# Allegro board S071AA-0413-20260427.brd (continued)
## Routing (per net, layer and track width the routed paths; a pad name or vN(x,y) marks a point on that pad's centre or on a via; arc(x,y) is an arc through that point) (continued)
GND12A_SCG: length 13.7
  L11_DPS w0.076: v2(149.12,210.23) 149.12,210.67 149.92,211.47 156.28,211.47
  L11_DPS w0.203: 156.28,211.47 156.45,211.47 156.66,211.67 v1(160.56,211.67)
  BOTTOM w0.152: v1(160.56,211.67) 160.56,211.68 SH6.1
  vias: v1(120.92,288.29) v1(120.92,283.21) v1(121.7,279.15) v1(129.28,279.15) v1(130.06,288.29) v1(130.06,283.21) v1(141.54,266.67) v1(141.54,263.88) v1(174.34,250.56) v1(174.34,247.77) v1(188.49,214.19) v1(188.49,211.4) v1(191.21,236.22) v1(191.21,233.42)
GND33A_ADC12: length 840.7
  L02_DGND w0.203: 120.67,152.81 K39.7 ; K39.7 119.55,153.92 ; K39.7 120.67,155.04 ; K39.7 121.78,153.92 ; K42.7 151.15,178.16 ; K42.7 150.03,177.04 ; K42.7 152.26,177.04 ; K42.7 151.15,175.92 ; 142.41,153.67 K40.7 ; K40.7 144.64,153.67 ; K40.7 143.53,154.79 ; K40.7 143.53,152.55 ; K42.6 151.15,165.46 ; K42.6 151.15,163.22 ; K42.6 150.03,164.34 ; K42.6 152.26,164.34 ; 143.53,139.85 K40.6 ; K40.6 142.41,140.97 ; K40.6 143.53,142.09 ; K40.6 144.64,140.97 ; 143.53,175.92 K38.7 ; K38.7 143.53,178.16 ; K38.7 144.64,177.04 ; K38.7 142.41,177.04 ; 111.93,153.92 K35.7 ; K35.7 114.16,153.92 ; K35.7 113.05,152.81 ; K35.7 113.05,155.04 ; K37.6 121.78,164.34 ; K37.6 120.67,163.22 ; K37.6 119.55,164.34 ; K37.6 120.67,165.46 ; 134.79,177.04 K34.7 ; K34.7 135.91,178.16 ; K34.7 135.91,175.92 ; K34.7 137.02,177.04 ; K34.6 137.02,164.34 ; K34.6 135.91,165.46 ; K34.6 134.79,164.34 ; K34.6 135.91,163.22 ; K35.6 114.16,141.22 ; K35.6 113.05,142.34 ; K35.6 111.93,141.22 ; K35.6 113.05,140.11 ; 128.29,163.22 K41.6 ; K41.6 128.29,165.46 ; K41.6 127.17,164.34 ; K41.6 129.4,164.34 ; K43.7 129.4,153.92 ; K43.7 127.17,153.92 ; K43.7 128.29,155.04 ; K43.7 128.29,152.81 ; K44.6 151.15,142.09 ; K44.6 152.26,140.97 ; K44.6 150.03,140.97 ; K44.6 151.15,139.85 ; K41.7 128.29,178.16 ; K41.7 129.4,177.04 ; K41.7 128.29,175.92 ; K41.7 127.17,177.04 ; K33.7 113.05,178.16 ; K33.7 114.16,177.04 ; K33.7 113.05,175.92 ; K33.7 111.93,177.04 ; 134.79,153.67 K36.7 ; K36.7 135.91,154.79 ; K36.7 137.02,153.67 ; K36.7 135.91,152.55 ; K43.6 129.4,141.22 ; K43.6 128.29,142.34 ; K43.6 128.29,140.11 ; K43.6 127.17,141.22 ; 119.55,177.04 K37.7 ; K37.7 121.78,177.04 ; K37.7 120.67,175.92 ; K37.7 120.67,178.16 ; 113.05,163.22 K33.6 ; K33.6 113.05,165.46 ; K33.6 111.93,164.34 ; K33.6 114.16,164.34 ; K39.6 121.78,141.22 ; K39.6 120.67,140.11 ; K39.6 120.67,142.34 ; K39.6 119.55,141.22 ; 142.41,164.34 K38.6 ; K38.6 144.64,164.34 ; K38.6 143.53,165.46 ; K38.6 143.53,163.22 ; 151.15,152.55 K44.7 ; K44.7 151.15,154.79 ; K44.7 152.26,153.67 ; K44.7 150.03,153.67 ; 134.79,140.97 K36.6 ; K36.6 135.91,142.09 ; K36.6 137.02,140.97 ; K36.6 135.91,139.85
  L04_DGND w0.203: K36.6 135.91,142.09 ; K36.6 137.02,140.97 ; K36.6 135.91,139.85 ; K36.6 134.79,140.97 ; K37.6 121.78,164.34 ; K37.6 119.55,164.34 ; K37.6 120.67,165.46 ; K37.6 120.67,163.22 ; 134.79,164.34 K34.6 ; K34.6 135.91,163.22 ; K34.6 135.91,165.46 ; K34.6 137.02,164.34 ; K35.6 114.16,141.22 ; K35.6 113.05,140.11 ; K35.6 113.05,142.34 ; K35.6 111.93,141.22 ; 151.15,175.92 K42.7 ; K42.7 150.03,177.04 ; K42.7 152.26,177.04 ; K42.7 151.15,178.16 ; 119.55,153.92 K39.7 ; K39.7 120.67,155.04 ; K39.7 121.78,153.92 ; K39.7 120.67,152.81 ; 143.53,139.85 K40.6 ; K40.6 144.64,140.97 ; K40.6 142.41,140.97 ; K40.6 143.53,142.09 ; 120.67,140.11 K39.6 ; K39.6 119.55,141.22 ; K39.6 120.67,142.34 ; K39.6 121.78,141.22 ; K38.6 144.64,164.34 ; K38.6 143.53,163.22 ; K38.6 143.53,165.46 ; K38.6 142.41,164.34 ; 150.03,140.97 K44.6 ; K44.6 151.15,142.09 ; K44.6 151.15,139.85 ; K44.6 152.26,140.97 ; K42.6 151.15,165.46 ; K42.6 151.15,163.22 ; K42.6 150.03,164.34 ; K42.6 152.26,164.34 ; 134.79,153.67 K36.7 ; K36.7 135.91,154.79 ; K36.7 135.91,152.55 ; K36.7 137.02,153.67 ; 142.41,153.67 K40.7 ; K40.7 144.64,153.67 ; K40.7 143.53,154.79 ; K40.7 143.53,152.55 ; K43.7 128.29,155.04 ; K43.7 128.29,152.81 ; K43.7 129.4,153.92 ; K43.7 127.17,153.92 ; 142.41,177.04 K38.7 ; K38.7 144.64,177.04 ; K38.7 143.53,178.16 ; K38.7 143.53,175.92 ; 111.93,153.92 K35.7 ; K35.7 113.05,152.81 ; K35.7 114.16,153.92 ; K35.7 113.05,155.04 ; 135.91,175.92 K34.7 ; K34.7 134.79,177.04 ; K34.7 135.91,178.16 ; K34.7 137.02,177.04 ; 128.29,140.11 K43.6 ; K43.6 129.4,141.22 ; K43.6 128.29,142.34 ; K43.6 127.17,141.22 ; K33.7 113.05,178.16 ; K33.7 111.93,177.04 ; K33.7 113.05,175.92 ; K33.7 114.16,177.04 ; 113.05,163.22 K33.6 ; K33.6 114.16,164.34 ; K33.6 113.05,165.46 ; K33.6 111.93,164.34 ; K41.6 129.4,164.34 ; K41.6 128.29,165.46 ; K41.6 127.17,164.34 ; K41.6 128.29,163.22 ; K41.7 128.29,178.16 ; K41.7 127.17,177.04 ; K41.7 129.4,177.04 ; K41.7 128.29,175.92 ; K37.7 121.78,177.04 ; K37.7 120.67,178.16 ; K37.7 120.67,175.92 ; K37.7 119.55,177.04 ; 151.15,152.55 K44.7 ; K44.7 150.03,153.67 ; K44.7 151.15,154.79 ; K44.7 152.26,153.67
  L06_DGND w0.203: K41.6 129.4,164.34 ; K41.6 128.29,165.46 ; K41.6 128.29,163.22 ; K41.6 127.17,164.34 ; 143.53,152.55 K40.7 ; K40.7 144.64,153.67 ; K40.7 143.53,154.79 ; K40.7 142.41,153.67 ; 111.93,164.34 K33.6 ; K33.6 113.05,165.46 ; K33.6 114.16,164.34 ; K33.6 113.05,163.22 ; 119.55,177.04 K37.7 ; K37.7 120.67,175.92 ; K37.7 120.67,178.16 ; K37.7 121.78,177.04 ; 119.55,141.22 K39.6 ; K39.6 120.67,140.11 ; K39.6 120.67,142.34 ; K39.6 121.78,141.22 ; K35.6 113.05,142.34 ; K35.6 113.05,140.11 ; K35.6 114.16,141.22 ; K35.6 111.93,141.22 ; K43.7 129.4,153.92 ; K43.7 127.17,153.92 ; K43.7 128.29,152.81 ; K43.7 128.29,155.04 ; 113.05,175.92 K33.7 ; K33.7 111.93,177.04 ; K33.7 114.16,177.04 ; K33.7 113.05,178.16 ; 143.53,139.85 K40.6 ; K40.6 142.41,140.97 ; K40.6 143.53,142.09 ; K40.6 144.64,140.97 ; 127.17,141.22 K43.6 ; K43.6 129.4,141.22 ; K43.6 128.29,142.34 ; K43.6 128.29,140.11 ; 143.53,175.92 K38.7 ; K38.7 144.64,177.04 ; K38.7 142.41,177.04 ; K38.7 143.53,178.16 ; 151.15,152.55 K44.7 ; K44.7 152.26,153.67 ; K44.7 150.03,153.67 ; K44.7 151.15,154.79 ; K37.6 120.67,165.46 ; K37.6 119.55,164.34 ; K37.6 120.67,163.22 ; K37.6 121.78,164.34 ; K38.6 143.53,165.46 ; K38.6 144.64,164.34 ; K38.6 143.53,163.22 ; K38.6 142.41,164.34 ; K39.7 120.67,155.04 ; K39.7 120.67,152.81 ; K39.7 119.55,153.92 ; K39.7 121.78,153.92 ; 134.79,140.97 K36.6 ; K36.6 135.91,142.09 ; K36.6 137.02,140.97 ; K36.6 135.91,139.85 ; 128.29,175.92 K41.7 ; K41.7 127.17,177.04 ; K41.7 129.4,177.04 ; K41.7 128.29,178.16 ; K42.6 152.26,164.34 ; K42.6 151.15,163.22 ; K42.6 151.15,165.46 ; K42.6 150.03,164.34 ; K34.7 137.02,177.04 ; K34.7 134.79,177.04 ; K34.7 135.91,175.92 ; K34.7 135.91,178.16 ; 134.79,164.34 K34.6 ; K34.6 137.02,164.34 ; K34.6 135.91,163.22 ; K34.6 135.91,165.46 ; K35.7 113.05,155.04 ; K35.7 113.05,152.81 ; K35.7 114.16,153.92 ; K35.7 111.93,153.92 ; K42.7 151.15,178.16 ; K42.7 151.15,175.92 ; K42.7 150.03,177.04 ; K42.7 152.26,177.04 ; 135.91,152.55 K36.7 ; K36.7 134.79,153.67 ; K36.7 137.02,153.67 ; K36.7 135.91,154.79 ; 150.03,140.97 K44.6 ; K44.6 151.15,142.09 ; K44.6 152.26,140.97 ; K44.6 151.15,139.85
  L08_DGND w0.203: 142.41,140.97 K40.6 ; K40.6 144.64,140.97 ; K40.6 143.53,139.85 ; K40.6 143.53,142.09 ; 128.29,140.11 K43.6 ; K43.6 127.17,141.22 ; K43.6 129.4,141.22 ; K43.6 128.29,142.34 ; K44.6 151.15,142.09 ; K44.6 152.26,140.97 ; K44.6 151.15,139.85 ; K44.6 150.03,140.97 ; 127.17,153.92 K43.7 ; K43.7 129.4,153.92 ; K43.7 128.29,152.81 ; K43.7 128.29,155.04 ; 120.67,140.11 K39.6 ; K39.6 121.78,141.22 ; K39.6 119.55,141.22 ; K39.6 120.67,142.34 ; 135.91,175.92 K34.7 ; K34.7 135.91,178.16 ; K34.7 134.79,177.04 ; K34.7 137.02,177.04 ; 151.15,152.55 K44.7 ; K44.7 152.26,153.67 ; K44.7 150.03,153.67 ; K44.7 151.15,154.79 ; 134.79,153.67 K36.7 ; K36.7 137.02,153.67 ; K36.7 135.91,154.79 ; K36.7 135.91,152.55 ; K35.6 113.05,142.34 ; K35.6 111.93,141.22 ; K35.6 114.16,141.22 ; K35.6 113.05,140.11 ; K42.6 152.26,164.34 ; K42.6 151.15,163.22 ; K42.6 150.03,164.34 ; K42.6 151.15,165.46 ; 111.93,164.34 K33.6 ; K33.6 114.16,164.34 ; K33.6 113.05,165.46 ; K33.6 113.05,163.22 ; 142.41,177.04 K38.7 ; K38.7 144.64,177.04 ; K38.7 143.53,178.16 ; K38.7 143.53,175.92 ; K39.7 121.78,153.92 ; K39.7 120.67,155.04 ; K39.7 119.55,153.92 ; K39.7 120.67,152.81 ; 119.55,164.34 K37.6 ; K37.6 120.67,163.22 ; K37.6 120.67,165.46 ; K37.6 121.78,164.34 ; 134.79,164.34 K34.6 ; K34.6 135.91,165.46 ; K34.6 137.02,164.34 ; K34.6 135.91,163.22 ; K35.7 113.05,155.04 ; K35.7 114.16,153.92 ; K35.7 111.93,153.92 ; K35.7 113.05,152.81 ; K33.7 113.05,178.16 ; K33.7 114.16,177.04 ; K33.7 113.05,175.92 ; K33.7 111.93,177.04 ; 143.53,152.55 K40.7 ; K40.7 142.41,153.67 ; K40.7 144.64,153.67 ; K40.7 143.53,154.79 ; K41.7 128.29,178.16 ; K41.7 129.4,177.04 ; K41.7 128.29,175.92 ; K41.7 127.17,177.04 ; 150.03,177.04 K42.7 ; K42.7 151.15,175.92 ; K42.7 152.26,177.04 ; K42.7 151.15,178.16 ; 128.29,163.22 K41.6 ; K41.6 128.29,165.46 ; K41.6 127.17,164.34 ; K41.6 129.4,164.34 ; K36.6 137.02,140.97 ; K36.6 135.91,139.85 ; K36.6 134.79,140.97 ; K36.6 135.91,142.09 ; K37.7 121.78,177.04 ; K37.7 120.67,175.92 ; K37.7 120.67,178.16 ; K37.7 119.55,177.04 ; 143.53,163.22 K38.6 ; K38.6 142.41,164.34 ; K38.6 143.53,165.46 ; K38.6 144.64,164.34
  L10_DGND w0.203: K42.7 152.26,177.04 ; K42.7 151.15,175.92 ; K42.7 150.03,177.04 ; K42.7 151.15,178.16 ; 143.53,175.92 K38.7 ; K38.7 142.41,177.04 ; K38.7 143.53,178.16 ; K38.7 144.64,177.04
  L11_DPS w0.076: v2(145.92,207.03) 145.92,206.68
  L11_DPS w0.203: v1(148.13,200.22) 148.13,204.1 145.92,206.3 145.92,206.68
  L12_DGND w0.203: 142.41,177.04 K38.7 ; K38.7 143.53,178.16 ; K38.7 144.64,177.04 ; K38.7 143.53,175.92 ; K42.7 151.15,178.16 ; K42.7 150.03,177.04 ; K42.7 151.15,175.92 ; K42.7 152.26,177.04
  L17_DGND w0.203: 142.41,177.04 K38.7 ; K38.7 143.53,175.92 ; K38.7 144.64,177.04 ; K38.7 143.53,178.16 ; 150.03,177.04 K42.7 ; K42.7 151.15,175.92 ; K42.7 151.15,178.16 ; K42.7 152.26,177.04 ; 128.29,163.22 K41.6 ; K41.6 128.29,165.46 ; K41.6 127.17,164.34 ; K41.6 129.4,164.34 ; 142.41,153.67 K40.7 ; K40.7 143.53,154.79 ; K40.7 143.53,152.55 ; K40.7 144.64,153.67 ; 150.03,140.97 K44.6 ; K44.6 152.26,140.97 ; K44.6 151.15,139.85 ; K44.6 151.15,142.09 ; K35.6 114.16,141.22 ; K35.6 111.93,141.22 ; K35.6 113.05,140.11 ; K35.6 113.05,142.34 ; K36.7 137.02,153.67 ; K36.7 134.79,153.67 ; K36.7 135.91,154.79 ; K36.7 135.91,152.55 ; K38.6 144.64,164.34 ; K38.6 142.41,164.34 ; K38.6 143.53,165.46 ; K38.6 143.53,163.22 ; 113.05,175.92 K33.7 ; K33.7 114.16,177.04 ; K33.7 111.93,177.04 ; K33.7 113.05,178.16 ; 113.05,152.81 K35.7 ; K35.7 113.05,155.04 ; K35.7 114.16,153.92 ; K35.7 111.93,153.92 ; 128.29,140.11 K43.6 ; K43.6 127.17,141.22 ; K43.6 128.29,142.34 ; K43.6 129.4,141.22 ; K36.6 135.91,142.09 ; K36.6 134.79,140.97 ; K36.6 135.91,139.85 ; K36.6 137.02,140.97 ; K33.6 114.16,164.34 ; K33.6 113.05,165.46 ; K33.6 113.05,163.22 ; K33.6 111.93,164.34 ; 128.29,175.92 K41.7 ; K41.7 127.17,177.04 ; K41.7 129.4,177.04 ; K41.7 128.29,178.16 ; K39.7 121.78,153.92 ; K39.7 120.67,155.04 ; K39.7 119.55,153.92 ; K39.7 120.67,152.81 ; K42.6 151.15,165.46 ; K42.6 152.26,164.34 ; K42.6 150.03,164.34 ; K42.6 151.15,163.22 ; K40.6 143.53,142.09 ; K40.6 143.53,139.85 ; K40.6 142.41,140.97 ; K40.6 144.64,140.97 ; K44.7 152.26,153.67 ; K44.7 151.15,152.55 ; K44.7 150.03,153.67 ; K44.7 151.15,154.79 ; K34.6 135.91,165.46 ; K34.6 135.91,163.22 ; K34.6 137.02,164.34 ; K34.6 134.79,164.34 ; K37.7 121.78,177.04 ; K37.7 119.55,177.04 ; K37.7 120.67,175.92 ; K37.7 120.67,178.16 ; 120.67,140.11 K39.6 ; K39.6 121.78,141.22 ; K39.6 120.67,142.34 ; K39.6 119.55,141.22 ; K43.7 128.29,155.04 ; K43.7 129.4,153.92 ; K43.7 128.29,152.81 ; K43.7 127.17,153.92 ; 119.55,164.34 K37.6 ; K37.6 120.67,165.46 ; K37.6 120.67,163.22 ; K37.6 121.78,164.34 ; K34.7 137.02,177.04 ; K34.7 134.79,177.04 ; K34.7 135.91,175.92 ; K34.7 135.91,178.16
  L19_DGND w0.203: 120.67,152.81 K39.7 ; K39.7 120.67,155.04 ; K39.7 119.55,153.92 ; K39.7 121.78,153.92 ; 119.55,164.34 K37.6 ; K37.6 120.67,163.22 ; K37.6 121.78,164.34 ; K37.6 120.67,165.46 ; K42.7 151.15,178.16 ; K42.7 151.15,175.92 ; K42.7 152.26,177.04 ; K42.7 150.03,177.04 ; 142.41,140.97 K40.6 ; K40.6 143.53,142.09 ; K40.6 143.53,139.85 ; K40.6 144.64,140.97 ; K36.6 137.02,140.97 ; K36.6 135.91,139.85 ; K36.6 134.79,140.97 ; K36.6 135.91,142.09 ; 134.79,164.34 K34.6 ; K34.6 135.91,163.22 ; K34.6 135.91,165.46 ; K34.6 137.02,164.34 ; K35.6 113.05,142.34 ; K35.6 114.16,141.22 ; K35.6 113.05,140.11 ; K35.6 111.93,141.22 ; K40.7 143.53,154.79 ; K40.7 142.41,153.67 ; K40.7 143.53,152.55 ; K40.7 144.64,153.67 ; K35.7 114.16,153.92 ; K35.7 113.05,152.81 ; K35.7 113.05,155.04 ; K35.7 111.93,153.92 ; K42.6 151.15,165.46 ; K42.6 150.03,164.34 ; K42.6 151.15,163.22 ; K42.6 152.26,164.34 ; K43.6 129.4,141.22 ; K43.6 127.17,141.22 ; K43.6 128.29,140.11 ; K43.6 128.29,142.34 ; K43.7 129.4,153.92 ; K43.7 128.29,152.81 ; K43.7 128.29,155.04 ; K43.7 127.17,153.92 ; 135.91,152.55 K36.7 ; K36.7 137.02,153.67 ; K36.7 135.91,154.79 ; K36.7 134.79,153.67 ; K37.7 121.78,177.04 ; K37.7 120.67,175.92 ; K37.7 119.55,177.04 ; K37.7 120.67,178.16 ; 128.29,163.22 K41.6 ; K41.6 128.29,165.46 ; K41.6 127.17,164.34 ; K41.6 129.4,164.34 ; K41.7 129.4,177.04 ; K41.7 127.17,177.04 ; K41.7 128.29,178.16 ; K41.7 128.29,175.92 ; 142.41,177.04 K38.7 ; K38.7 143.53,175.92 ; K38.7 143.53,178.16 ; K38.7 144.64,177.04 ; K44.7 151.15,154.79 ; K44.7 151.15,152.55 ; K44.7 150.03,153.67 ; K44.7 152.26,153.67 ; K39.6 120.67,142.34 ; K39.6 119.55,141.22 ; K39.6 121.78,141.22 ; K39.6 120.67,140.11 ; 113.05,163.22 K33.6 ; K33.6 113.05,165.46 ; K33.6 111.93,164.34 ; K33.6 114.16,164.34 ; 135.91,175.92 K34.7 ; K34.7 135.91,178.16 ; K34.7 134.79,177.04 ; K34.7 137.02,177.04 ; K38.6 144.64,164.34 ; K38.6 143.53,165.46 ; K38.6 143.53,163.22 ; K38.6 142.41,164.34 ; K44.6 152.26,140.97 ; K44.6 151.15,142.09 ; K44.6 151.15,139.85 ; K44.6 150.03,140.97 ; K33.7 113.05,178.16 ; K33.7 111.93,177.04 ; K33.7 114.16,177.04 ; K33.7 113.05,175.92
  L23_DGND w0.203: K35.6 113.05,142.34 ; K35.6 111.93,141.22 ; K35.6 114.16,141.22 ; K35.6 113.05,140.11 ; 128.29,163.22 K41.6 ; K41.6 129.4,164.34 ; K41.6 128.29,165.46 ; K41.6 127.17,164.34 ; 151.15,163.22 K42.6 ; K42.6 152.26,164.34 ; K42.6 151.15,165.46 ; K42.6 150.03,164.34 ; K33.6 113.05,165.46 ; K33.6 113.05,163.22 ; K33.6 114.16,164.34 ; K33.6 111.93,164.34 ; K43.6 128.29,142.34 ; K43.6 127.17,141.22 ; K43.6 128.29,140.11 ; K43.6 129.4,141.22 ; K40.7 143.53,154.79 ; K40.7 144.64,153.67 ; K40.7 143.53,152.55 ; K40.7 142.41,153.67 ; K39.6 121.78,141.22 ; K39.6 119.55,141.22 ; K39.6 120.67,142.34 ; K39.6 120.67,140.11 ; K36.7 137.02,153.67 ; K36.7 135.91,154.79 ; K36.7 135.91,152.55 ; K36.7 134.79,153.67 ; K34.6 137.02,164.34 ; K34.6 135.91,163.22 ; K34.6 135.91,165.46 ; K34.6 134.79,164.34 ; K44.6 152.26,140.97 ; K44.6 151.15,139.85 ; K44.6 151.15,142.09 ; K44.6 150.03,140.97 ; K43.7 129.4,153.92 ; K43.7 128.29,155.04 ; K43.7 128.29,152.81 ; K43.7 127.17,153.92 ; K36.6 137.02,140.97 ; K36.6 135.91,142.09 ; K36.6 134.79,140.97 ; K36.6 135.91,139.85 ; K37.6 121.78,164.34 ; K37.6 120.67,163.22 ; K37.6 120.67,165.46 ; K37.6 119.55,164.34 ; 113.05,175.92 K33.7 ; K33.7 114.16,177.04 ; K33.7 113.05,178.16 ; K33.7 111.93,177.04 ; K44.7 152.26,153.67 ; K44.7 151.15,152.55 ; K44.7 150.03,153.67 ; K44.7 151.15,154.79 ; 119.55,153.92 K39.7 ; K39.7 121.78,153.92 ; K39.7 120.67,155.04 ; K39.7 120.67,152.81 ; 142.41,140.97 K40.6 ; K40.6 143.53,139.85 ; K40.6 143.53,142.09 ; K40.6 144.64,140.97 ; K38.6 143.53,165.46 ; K38.6 143.53,163.22 ; K38.6 142.41,164.34 ; K38.6 144.64,164.34 ; K35.7 114.16,153.92 ; K35.7 113.05,152.81 ; K35.7 113.05,155.04 ; K35.7 111.93,153.92
  L25_DGND w0.203: 143.53,139.85 K40.6 ; K40.6 143.53,142.09 ; K40.6 144.64,140.97 ; K40.6 142.41,140.97 ; K35.7 114.16,153.92 ; K35.7 113.05,155.04 ; K35.7 113.05,152.81 ; K35.7 111.93,153.92 ; K35.6 114.16,141.22 ; K35.6 113.05,140.11 ; K35.6 113.05,142.34 ; K35.6 111.93,141.22 ; 128.29,140.11 K43.6 ; K43.6 128.29,142.34 ; K43.6 127.17,141.22 ; K43.6 129.4,141.22 ; K39.6 120.67,142.34 ; K39.6 121.78,141.22 ; K39.6 119.55,141.22 ; K39.6 120.67,140.11 ; K42.6 152.26,164.34 ; K42.6 150.03,164.34 ; K42.6 151.15,165.46 ; K42.6 151.15,163.22 ; 135.91,163.22 K34.6 ; K34.6 135.91,165.46 ; K34.6 134.79,164.34 ; K34.6 137.02,164.34 ; K43.7 128.29,155.04 ; K43.7 128.29,152.81 ; K43.7 127.17,153.92 ; K43.7 129.4,153.92 ; K37.6 120.67,165.46 ; K37.6 121.78,164.34 ; K37.6 120.67,163.22 ; K37.6 119.55,164.34 ; K40.7 144.64,153.67 ; K40.7 142.41,153.67 ; K40.7 143.53,154.79 ; K40.7 143.53,152.55 ; 111.93,164.34 K33.6 ; K33.6 113.05,165.46 ; K33.6 113.05,163.22 ; K33.6 114.16,164.34 ; K44.7 151.15,154.79 ; K44.7 150.03,153.67 ; K44.7 151.15,152.55 ; K44.7 152.26,153.67 ; 151.15,139.85 K44.6 ; K44.6 150.03,140.97 ; K44.6 151.15,142.09 ; K44.6 152.26,140.97 ; K36.6 135.91,142.09 ; K36.6 135.91,139.85 ; K36.6 137.02,140.97 ; K36.6 134.79,140.97 ; K39.7 120.67,155.04 ; K39.7 120.67,152.81 ; K39.7 119.55,153.92 ; K39.7 121.78,153.92 ; 113.05,175.92 K33.7 ; K33.7 114.16,177.04 ; K33.7 111.93,177.04 ; K33.7 113.05,178.16 ; K38.6 143.53,165.46 ; K38.6 142.41,164.34 ; K38.6 144.64,164.34 ; K38.6 143.53,163.22 ; 134.79,153.67 K36.7 ; K36.7 135.91,152.55 ; K36.7 137.02,153.67 ; K36.7 135.91,154.79 ; K41.6 128.29,165.46 ; K41.6 129.4,164.34 ; K41.6 128.29,163.22 ; K41.6 127.17,164.34
  BOTTOM w0.152: SH8.1 v1(148.13,200.22)
  vias: v1(131.72,148.32) v1(136.8,188.96) v1(143.78,288.29) v1(143.78,283.21) v1(144.56,279.15) v1(146.96,148.32) v1(152.14,279.15) v1(152.92,288.29) v1(152.92,283.21) v1(157.12,148.32) v1(161.24,175.22) v1(161.24,172.43) v1(162.2,158.48) v1(162.2,153.4) v1(162.2,148.32) v1(162.2,143.24) v1(162.2,138.16) v1(167.28,153.4) v1(167.28,148.32) v1(167.28,143.24) v1(167.28,138.16) v1(172.36,148.32) v1(172.36,143.24) v1(172.36,138.16) v1(177.44,143.24) v1(177.44,138.16) v1(182.52,138.16) v1(187.65,179.08) v1(187.65,176.29) v1(232.14,210.8) v1(232.14,208.01) v1(232.44,270.37) v1(232.44,267.57) v2(142.72,207.83) v2(142.72,207.03) v2(143.52,210.23) v2(145.92,210.23) v2(145.92,209.43) v2(145.92,208.63) v2(145.92,207.83) v2(146.72,212.63) v2(146.78,211.84)
GND33A_ADC32: length 2740.1
  L02_DGND w0.203: 114.82,188.37 K1.7 ; K1.7 114.82,190.6 ; K1.7 115.94,189.48 ; K1.7 113.71,189.48 ; 101.01,219.96 K20.6 ; K20.6 103.24,219.96 ; K20.6 102.12,221.08 ; K20.6 102.12,218.85 ; K5.6 32.38,204.72 ; K5.6 30.14,204.72 ; K5.6 31.26,205.84 ; K5.6 31.26,203.61 ; 30.14,235.2 K25.6 ; K25.6 31.26,236.32 ; K25.6 32.38,235.2 ; K25.6 31.26,234.09 ; 90.08,204.72 K12.7 ; K12.7 92.32,204.72 ; K12.7 91.2,203.61 ; K12.7 91.2,205.84 ; 43.96,195.99 K6.7 ; K6.7 42.84,197.1 ; K6.7 43.96,198.22 ; K6.7 45.08,197.1 ; K19.6 78.5,221.08 ; K19.6 77.38,219.96 ; K19.6 79.62,219.96 ; K19.6 78.5,218.85 ; 42.84,242.82 K29.7 ; K29.7 43.96,241.71 ; K29.7 45.08,242.82 ; K27.7 91.2,236.32 ; K27.7 91.2,234.09 ; K27.7 92.32,235.2 ; K27.7 90.08,235.2 ; K7.7 68.7,212.34 ; K7.7 66.46,212.34 ; K7.7 67.58,213.46 ; K7.7 67.58,211.23 ; 42.84,189.48 K16.7 ; K16.7 43.96,188.37 ; K16.7 45.08,189.48 ; K16.7 43.96,190.6 ; K9.6 54.88,198.22 ; K9.6 53.76,197.1 ; K9.6 54.88,195.99 ; K9.6 56,197.1 ; 31.26,226.47 K21.6 ; K21.6 30.14,227.58 ; K21.6 31.26,228.7 ; K21.6 32.38,227.58 ; K25.7 43.96,236.32 ; K25.7 42.84,235.2 ; K25.7 45.08,235.2 ; K25.7 43.96,234.09 ; 67.58,226.47 K22.7 ; K22.7 68.7,227.58 ; K22.7 67.58,228.7 ; K22.7 66.46,227.58 ; 54.88,211.23 K7.6 ; K7.6 53.76,212.34 ; K7.6 54.88,213.46 ; K7.6 56,212.34 ; 54.88,203.61 K8.6 ; K8.6 53.76,204.72 ; K8.6 54.88,205.84 ; K8.6 56,204.72 ; 43.96,218.85 K17.7 ; K17.7 45.08,219.96 ; K17.7 42.84,219.96 ; K17.7 43.96,221.08 ; 77.38,212.34 K14.6 ; K14.6 79.62,212.34 ; K14.6 78.5,213.46 ; K14.6 78.5,211.23 ; 77.38,189.48 K2.6 ; K2.6 79.62,189.48 ; K2.6 78.5,190.6 ; K2.6 78.5,188.37 ; 77.38,235.2 K27.6 ; K27.6 78.5,234.09 ; K27.6 79.62,235.2 ; K27.6 78.5,236.32 ; K20.7 114.82,221.08 ; K20.7 113.71,219.96 ; K20.7 115.94,219.96 ; K20.7 114.82,218.85 ; K28.6 103.24,235.2 ; K28.6 102.12,236.32 ; K28.6 102.12,234.09 ; K28.6 101.01,235.2 ; K22.6 54.88,228.7 ; K22.6 54.88,226.47 ; K22.6 56,227.58 ; K22.6 53.76,227.58 ; 43.96,211.23 K4.7 ; K4.7 43.96,213.46 ; K4.7 42.84,212.34 ; K4.7 45.08,212.34 ; K14.7 91.2,213.46 ; K14.7 90.08,212.34 ; K14.7 91.2,211.23 ; K14.7 92.32,212.34 ; K23.6 78.5,228.7 ; K23.6 79.62,227.58 ; K23.6 78.5,226.47 ; K23.6 77.38,227.58 ; 77.38,197.1 K10.6 ; K10.6 78.5,198.22 ; K10.6 79.62,197.1 ; K10.6 78.5,195.99 ; 42.84,227.58 K21.7 ; K21.7 45.08,227.58 ; K21.7 43.96,226.47 ; K21.7 43.96,228.7 ; 101.01,242.82 K32.6 ; K32.6 102.12,241.71 ; K32.6 103.24,242.82 ; 31.26,195.99 K6.6 ; K6.6 30.14,197.1 ; K6.6 32.38,197.1 ; K6.6 31.26,198.22 ; K3.6 56,189.48 ; K3.6 53.76,189.48 ; K3.6 54.88,188.37 ; K3.6 54.88,190.6 ; 90.08,242.82 K31.7 ; K31.7 91.2,241.71 ; K31.7 92.32,242.82 ; K4.6 31.26,213.46 ; K4.6 31.26,211.23 ; K4.6 30.14,212.34 ; K4.6 32.38,212.34 ; 77.38,242.82 K31.6 ; K31.6 78.5,241.71 ; K31.6 79.62,242.82 ; K2.7 92.32,189.48 ; K2.7 91.2,190.6 ; K2.7 91.2,188.37 ; K2.7 90.08,189.48 ; 102.12,195.99 K11.6 ; K11.6 102.12,198.22 ; K11.6 101.01,197.1 ; K11.6 103.24,197.1 ; K16.6 31.26,190.6 ; K16.6 32.38,189.48 ; K16.6 31.26,188.37 ; K16.6 30.14,189.48 ; K18.7 68.7,219.96 ; K18.7 67.58,218.85 ; K18.7 66.46,219.96 ; K18.7 67.58,221.08 ; K30.7 68.7,242.82 ; K30.7 66.46,242.82 ; K30.7 67.58,241.71 ; K8.7 68.7,204.72 ; K8.7 67.58,203.61 ; K8.7 67.58,205.84 ; K8.7 66.46,204.72 ; 91.2,226.47 K23.7 ; K23.7 92.32,227.58 ; K23.7 90.08,227.58 ; K23.7 91.2,228.7 ; K24.7 115.94,227.58 ; K24.7 113.71,227.58 ; K24.7 114.82,226.47 ; K24.7 114.82,228.7 ; 77.38,204.72 K12.6 ; K12.6 78.5,203.61 ; K12.6 78.5,205.84 ; K12.6 79.62,204.72 ; 54.88,234.09 K26.6 ; K26.6 53.76,235.2 ; K26.6 56,235.2 ; K26.6 54.88,236.32 ; K13.6 103.24,204.72 ; K13.6 102.12,205.84 ; K13.6 101.01,204.72 ; K13.6 102.12,203.61 ; 66.46,197.1 K9.7 ; K9.7 67.58,198.22 ; K9.7 68.7,197.1 ; K9.7 67.58,195.99 ; K13.7 114.82,205.84 ; K13.7 114.82,203.61 ; K13.7 113.71,204.72 ; K13.7 115.94,204.72 ; 113.71,197.1 K11.7 ; K11.7 114.82,198.22 ; K11.7 114.82,195.99 ; K11.7 115.94,197.1 ; 53.76,219.96 K18.6 ; K18.6 54.88,218.85 ; K18.6 54.88,221.08 ; K18.6 56,219.96 ; K1.6 102.12,190.6 ; K1.6 102.12,188.37 ; K1.6 103.24,189.48 ; K1.6 101.01,189.48 ; K15.7 115.94,212.34 ; K15.7 114.82,211.23 ; K15.7 114.82,213.46 ; K15.7 113.71,212.34 ; 54.88,241.71 K30.6 ; K30.6 56,242.82 ; K30.6 53.76,242.82 ; 113.71,242.82 K32.7 ; K32.7 114.82,241.71 ; K32.7 115.94,242.82 ; K15.6 102.12,213.46 ; K15.6 102.12,211.23 ; K15.6 101.01,212.34 ; K15.6 103.24,212.34 ; 101.01,227.58 K24.6 ; K24.6 103.24,227.58 ; K24.6 102.12,226.47 ; K24.6 102.12,228.7 ; K17.6 32.38,219.96 ; K17.6 31.26,218.85 ; K17.6 31.26,221.08 ; K17.6 30.14,219.96 ; 42.84,204.72 K5.7 ; K5.7 45.08,204.72 ; K5.7 43.96,205.84 ; K5.7 43.96,203.61 ; K26.7 68.7,235.2 ; K26.7 67.58,236.32 ; K26.7 66.46,235.2 ; K26.7 67.58,234.09 ; 90.08,219.96 K19.7 ; K19.7 91.2,218.85 ; K19.7 92.32,219.96 ; K19.7 91.2,221.08 ; 90.08,197.1 K10.7 ; K10.7 91.2,195.99 ; K10.7 91.2,198.22 ; K10.7 92.32,197.1 ; K28.7 115.94,235.2 ; K28.7 114.82,234.09 ; K28.7 114.82,236.32 ; K28.7 113.71,235.2 ; 67.58,188.37 K3.7 ; K3.7 68.7,189.48 ; K3.7 67.58,190.6 ; K3.7 66.46,189.48 ; 30.14,242.82 K29.6 ; K29.6 31.26,241.71 ; K29.6 32.38,242.82
  L04_DGND w0.203: K16.6 32.38,189.48 ; K16.6 31.26,188.37 ; K16.6 30.14,189.48 ; K16.6 31.26,190.6 ; K18.6 56,219.96 ; K18.6 54.88,221.08 ; K18.6 53.76,219.96 ; K18.6 54.88,218.85 ; 113.71,212.34 K15.7 ; K15.7 114.82,211.23 ; K15.7 115.94,212.34 ; K15.7 114.82,213.46 ; 53.76,235.2 K26.6 ; K26.6 54.88,236.32 ; K26.6 56,235.2 ; K26.6 54.88,234.09 ; 114.82,234.09 K28.7 ; K28.7 113.71,235.2 ; K28.7 115.94,235.2 ; K28.7 114.82,236.32 ; 67.58,234.09 K26.7 ; K26.7 67.58,236.32 ; K26.7 68.7,235.2 ; K26.7 66.46,235.2 ; K7.6 56,212.34 ; K7.6 54.88,211.23 ; K7.6 53.76,212.34 ; K7.6 54.88,213.46 ; 90.08,204.72 K12.7 ; K12.7 92.32,204.72 ; K12.7 91.2,205.84 ; K12.7 91.2,203.61 ; K24.7 114.82,228.7 ; K24.7 114.82,226.47 ; K24.7 113.71,227.58 ; K24.7 115.94,227.58 ; 31.26,241.71 K29.6 ; K29.6 30.14,242.82 ; K29.6 32.38,242.82 ; 67.58,218.85 K18.7 ; K18.7 66.46,219.96 ; K18.7 68.7,219.96 ; K18.7 67.58,221.08 ; 77.38,235.2 K27.6 ; K27.6 78.5,236.32 ; K27.6 79.62,235.2 ; K27.6 78.5,234.09 ; K20.7 114.82,221.08 ; K20.7 113.71,219.96 ; K20.7 115.94,219.96 ; K20.7 114.82,218.85 ; K25.6 32.38,235.2 ; K25.6 31.26,234.09 ; K25.6 30.14,235.2 ; K25.6 31.26,236.32 ; 67.58,188.37 K3.7 ; K3.7 68.7,189.48 ; K3.7 66.46,189.48 ; K3.7 67.58,190.6 ; 31.26,195.99 K6.6 ; K6.6 32.38,197.1 ; K6.6 31.26,198.22 ; K6.6 30.14,197.1 ; K15.6 102.12,213.46 ; K15.6 101.01,212.34 ; K15.6 103.24,212.34 ; K15.6 102.12,211.23 ; K10.6 78.5,198.22 ; K10.6 78.5,195.99 ; K10.6 79.62,197.1 ; K10.6 77.38,197.1 ; K1.6 103.24,189.48 ; K1.6 102.12,190.6 ; K1.6 101.01,189.48 ; K1.6 102.12,188.37 ; 101.01,204.72 K13.6 ; K13.6 102.12,205.84 ; K13.6 102.12,203.61 ; K13.6 103.24,204.72 ; 90.08,212.34 K14.7 ; K14.7 91.2,213.46 ; K14.7 92.32,212.34 ; K14.7 91.2,211.23 ; K28.6 103.24,235.2 ; K28.6 102.12,234.09 ; K28.6 102.12,236.32 ; K28.6 101.01,235.2 ; K30.7 68.7,242.82 ; K30.7 66.46,242.82 ; K30.7 67.58,241.71 ; 42.84,189.48 K16.7 ; K16.7 43.96,188.37 ; K16.7 45.08,189.48 ; K16.7 43.96,190.6 ; 30.14,212.34 K4.6 ; K4.6 31.26,211.23 ; K4.6 31.26,213.46 ; K4.6 32.38,212.34 ; 78.5,241.71 K31.6 ; K31.6 77.38,242.82 ; K31.6 79.62,242.82 ; K30.6 56,242.82 ; K30.6 53.76,242.82 ; K30.6 54.88,241.71 ; K17.6 31.26,221.08 ; K17.6 31.26,218.85 ; K17.6 30.14,219.96 ; K17.6 32.38,219.96 ; K2.6 78.5,190.6 ; K2.6 79.62,189.48 ; K2.6 78.5,188.37 ; K2.6 77.38,189.48 ; 90.08,219.96 K19.7 ; K19.7 92.32,219.96 ; K19.7 91.2,221.08 ; K19.7 91.2,218.85 ; K5.7 43.96,205.84 ; K5.7 43.96,203.61 ; K5.7 45.08,204.72 ; K5.7 42.84,204.72 ; 102.12,226.47 K24.6 ; K24.6 101.01,227.58 ; K24.6 103.24,227.58 ; K24.6 102.12,228.7 ; K9.7 68.7,197.1 ; K9.7 66.46,197.1 ; K9.7 67.58,195.99 ; K9.7 67.58,198.22 ; 91.2,226.47 K23.7 ; K23.7 90.08,227.58 ; K23.7 91.2,228.7 ; K23.7 92.32,227.58 ; K17.7 43.96,221.08 ; K17.7 45.08,219.96 ; K17.7 43.96,218.85 ; K17.7 42.84,219.96 ; 102.12,195.99 K11.6 ; K11.6 103.24,197.1 ; K11.6 102.12,198.22 ; K11.6 101.01,197.1 ; K21.7 43.96,228.7 ; K21.7 43.96,226.47 ; K21.7 42.84,227.58 ; K21.7 45.08,227.58 ; K2.7 91.2,190.6 ; K2.7 92.32,189.48 ; K2.7 90.08,189.48 ; K2.7 91.2,188.37 ; K8.6 54.88,205.84 ; K8.6 56,204.72 ; K8.6 54.88,203.61 ; K8.6 53.76,204.72 ; K1.7 115.94,189.48 ; K1.7 114.82,188.37 ; K1.7 114.82,190.6 ; K1.7 113.71,189.48 ; 42.84,242.82 K29.7 ; K29.7 45.08,242.82 ; K29.7 43.96,241.71 ; K9.6 54.88,198.22 ; K9.6 54.88,195.99 ; K9.6 56,197.1 ; K9.6 53.76,197.1 ; 43.96,211.23 K4.7 ; K4.7 45.08,212.34 ; K4.7 42.84,212.34 ; K4.7 43.96,213.46 ; K20.6 103.24,219.96 ; K20.6 101.01,219.96 ; K20.6 102.12,221.08 ; K20.6 102.12,218.85 ; 90.08,235.2 K27.7 ; K27.7 91.2,234.09 ; K27.7 91.2,236.32 ; K27.7 92.32,235.2 ; 54.88,226.47 K22.6 ; K22.6 53.76,227.58 ; K22.6 54.88,228.7 ; K22.6 56,227.58 ; 113.71,197.1 K11.7 ; K11.7 115.94,197.1 ; K11.7 114.82,198.22 ; K11.7 114.82,195.99 ; K14.6 78.5,213.46 ; K14.6 79.62,212.34 ; K14.6 78.5,211.23 ; K14.6 77.38,212.34 ; K7.7 67.58,213.46 ; K7.7 66.46,212.34 ; K7.7 68.7,212.34 ; K7.7 67.58,211.23 ; 53.76,189.48 K3.6 ; K3.6 54.88,190.6 ; K3.6 54.88,188.37 ; K3.6 56,189.48 ; 43.96,234.09 K25.7 ; K25.7 43.96,236.32 ; K25.7 45.08,235.2 ; K25.7 42.84,235.2 ; K6.7 45.08,197.1 ; K6.7 42.84,197.1 ; K6.7 43.96,198.22 ; K6.7 43.96,195.99 ; K23.6 79.62,227.58 ; K23.6 77.38,227.58 ; K23.6 78.5,228.7 ; K23.6 78.5,226.47 ; K13.7 114.82,205.84 ; K13.7 114.82,203.61 ; K13.7 113.71,204.72 ; K13.7 115.94,204.72 ; K8.7 68.7,204.72 ; K8.7 67.58,203.61 ; K8.7 66.46,204.72 ; K8.7 67.58,205.84 ; K21.6 32.38,227.58 ; K21.6 31.26,226.47 ; K21.6 30.14,227.58 ; K21.6 31.26,228.7 ; 101.01,242.82 K32.6 ; K32.6 102.12,241.71 ; K32.6 103.24,242.82 ; 31.26,203.61 K5.6 ; K5.6 32.38,204.72 ; K5.6 31.26,205.84 ; K5.6 30.14,204.72 ; 77.38,204.72 K12.6 ; K12.6 78.5,205.84 ; K12.6 79.62,204.72 ; K12.6 78.5,203.61 ; 91.2,241.71 K31.7 ; K31.7 90.08,242.82 ; K31.7 92.32,242.82 ; 77.38,219.96 K19.6 ; K19.6 78.5,221.08 ; K19.6 79.62,219.96 ; K19.6 78.5,218.85 ; 67.58,226.47 K22.7 ; K22.7 67.58,228.7 ; K22.7 68.7,227.58 ; K22.7 66.46,227.58 ; 90.08,197.1 K10.7 ; K10.7 91.2,195.99 ; K10.7 91.2,198.22 ; K10.7 92.32,197.1 ; 114.82,241.71 K32.7 ; K32.7 113.71,242.82 ; K32.7 115.94,242.82
  L06_DGND w0.203: K17.6 31.26,221.08 ; K17.6 30.14,219.96 ; K17.6 31.26,218.85 ; K17.6 32.38,219.96 ; 66.46,235.2 K26.7 ; K26.7 67.58,236.32 ; K26.7 67.58,234.09 ; K26.7 68.7,235.2 ; 31.26,195.99 K6.6 ; K6.6 32.38,197.1 ; K6.6 30.14,197.1 ; K6.6 31.26,198.22 ; K12.7 91.2,205.84 ; K12.7 91.2,203.61 ; K12.7 90.08,204.72 ; K12.7 92.32,204.72 ; K28.7 115.94,235.2 ; K28.7 114.82,234.09 ; K28.7 113.71,235.2 ; K28.7 114.82,236.32 ; 113.71,219.96 K20.7 ; K20.7 114.82,221.08 ; K20.7 115.94,219.96 ; K20.7 114.82,218.85 ; 113.71,189.48 K1.7 ; K1.7 114.82,190.6 ; K1.7 114.82,188.37 ; K1.7 115.94,189.48 ; 113.71,242.82 K32.7 ; K32.7 114.82,241.71 ; K32.7 115.94,242.82 ; 90.08,219.96 K19.7 ; K19.7 91.2,221.08 ; K19.7 91.2,218.85 ; K19.7 92.32,219.96 ; K22.7 68.7,227.58 ; K22.7 66.46,227.58 ; K22.7 67.58,228.7 ; K22.7 67.58,226.47 ; K28.6 102.12,236.32 ; K28.6 101.01,235.2 ; K28.6 103.24,235.2 ; K28.6 102.12,234.09 ; K13.6 103.24,204.72 ; K13.6 102.12,203.61 ; K13.6 101.01,204.72 ; K13.6 102.12,205.84 ; 30.14,242.82 K29.6 ; K29.6 32.38,242.82 ; K29.6 31.26,241.71 ; 43.96,195.99 K6.7 ; K6.7 43.96,198.22 ; K6.7 42.84,197.1 ; K6.7 45.08,197.1 ; 77.38,204.72 K12.6 ; K12.6 78.5,203.61 ; K12.6 78.5,205.84 ; K12.6 79.62,204.72 ; 53.76,227.58 K22.6 ; K22.6 54.88,228.7 ; K22.6 54.88,226.47 ; K22.6 56,227.58 ; 67.58,241.71 K30.7 ; K30.7 66.46,242.82 ; K30.7 68.7,242.82 ; K11.7 115.94,197.1 ; K11.7 114.82,195.99 ; K11.7 113.71,197.1 ; K11.7 114.82,198.22 ; 43.96,234.09 K25.7 ; K25.7 45.08,235.2 ; K25.7 43.96,236.32 ; K25.7 42.84,235.2 ; K11.6 102.12,198.22 ; K11.6 103.24,197.1 ; K11.6 102.12,195.99 ; K11.6 101.01,197.1 ; 90.08,235.2 K27.7 ; K27.7 91.2,236.32 ; K27.7 92.32,235.2 ; K27.7 91.2,234.09 ; K4.7 43.96,213.46 ; K4.7 43.96,211.23 ; K4.7 45.08,212.34 ; K4.7 42.84,212.34 ; K24.7 115.94,227.58 ; K24.7 114.82,226.47 ; K24.7 114.82,228.7 ; K24.7 113.71,227.58 ; 31.26,211.23 K4.6 ; K4.6 30.14,212.34 ; K4.6 32.38,212.34 ; K4.6 31.26,213.46 ; 114.82,211.23 K15.7 ; K15.7 114.82,213.46 ; K15.7 113.71,212.34 ; K15.7 115.94,212.34 ; K8.7 68.7,204.72 ; K8.7 66.46,204.72 ; K8.7 67.58,203.61 ; K8.7 67.58,205.84 ; K21.7 43.96,228.7 ; K21.7 45.08,227.58 ; K21.7 43.96,226.47 ; K21.7 42.84,227.58 ; 42.84,242.82 K29.7 ; K29.7 43.96,241.71 ; K29.7 45.08,242.82 ; 67.58,218.85 K18.7 ; K18.7 67.58,221.08 ; K18.7 66.46,219.96 ; K18.7 68.7,219.96 ; K26.6 56,235.2 ; K26.6 53.76,235.2 ; K26.6 54.88,236.32 ; K26.6 54.88,234.09 ; K2.6 79.62,189.48 ; K2.6 78.5,188.37 ; K2.6 77.38,189.48 ; K2.6 78.5,190.6 ; K1.6 102.12,190.6 ; K1.6 103.24,189.48 ; K1.6 102.12,188.37 ; K1.6 101.01,189.48 ; 67.58,195.99 K9.7 ; K9.7 66.46,197.1 ; K9.7 68.7,197.1 ; K9.7 67.58,198.22 ; 78.5,226.47 K23.6 ; K23.6 78.5,228.7 ; K23.6 77.38,227.58 ; K23.6 79.62,227.58 ; 66.46,189.48 K3.7 ; K3.7 67.58,190.6 ; K3.7 67.58,188.37 ; K3.7 68.7,189.48 ; K24.6 103.24,227.58 ; K24.6 102.12,228.7 ; K24.6 101.01,227.58 ; K24.6 102.12,226.47 ; 90.08,197.1 K10.7 ; K10.7 91.2,195.99 ; K10.7 92.32,197.1 ; K10.7 91.2,198.22 ; 31.26,203.61 K5.6 ; K5.6 30.14,204.72 ; K5.6 31.26,205.84 ; K5.6 32.38,204.72 ; 91.2,226.47 K23.7 ; K23.7 90.08,227.58 ; K23.7 92.32,227.58 ; K23.7 91.2,228.7 ; 78.5,234.09 K27.6 ; K27.6 79.62,235.2 ; K27.6 78.5,236.32 ; K27.6 77.38,235.2 ; 42.84,189.48 K16.7 ; K16.7 43.96,188.37 ; K16.7 45.08,189.48 ; K16.7 43.96,190.6 ; 102.12,218.85 K20.6 ; K20.6 102.12,221.08 ; K20.6 101.01,219.96 ; K20.6 103.24,219.96 ; 90.08,212.34 K14.7 ; K14.7 91.2,213.46 ; K14.7 92.32,212.34 ; K14.7 91.2,211.23 ; K15.6 103.24,212.34 ; K15.6 102.12,213.46 ; K15.6 102.12,211.23 ; K15.6 101.01,212.34 ; 77.38,197.1 K10.6 ; K10.6 79.62,197.1 ; K10.6 78.5,198.22 ; K10.6 78.5,195.99 ; K19.6 79.62,219.96 ; K19.6 77.38,219.96 ; K19.6 78.5,218.85 ; K19.6 78.5,221.08 ; 78.5,241.71 K31.6 ; K31.6 77.38,242.82 ; K31.6 79.62,242.82 ; 54.88,218.85 K18.6 ; K18.6 56,219.96 ; K18.6 54.88,221.08 ; K18.6 53.76,219.96 ; 78.5,211.23 K14.6 ; K14.6 78.5,213.46 ; K14.6 77.38,212.34 ; K14.6 79.62,212.34 ; K32.6 103.24,242.82 ; K32.6 102.12,241.71 ; K32.6 101.01,242.82 ; K7.6 56,212.34 ; K7.6 54.88,211.23 ; K7.6 54.88,213.46 ; K7.6 53.76,212.34 ; K5.7 45.08,204.72 ; K5.7 43.96,205.84 ; K5.7 42.84,204.72 ; K5.7 43.96,203.61 ; 113.71,204.72 K13.7 ; K13.7 115.94,204.72 ; K13.7 114.82,205.84 ; K13.7 114.82,203.61 ; K30.6 56,242.82 ; K30.6 54.88,241.71 ; K30.6 53.76,242.82 ; K9.6 54.88,198.22 ; K9.6 54.88,195.99 ; K9.6 53.76,197.1 ; K9.6 56,197.1 ; K8.6 56,204.72 ; K8.6 53.76,204.72 ; K8.6 54.88,203.61 ; K8.6 54.88,205.84 ; 31.26,188.37 K16.6 ; K16.6 31.26,190.6 ; K16.6 32.38,189.48 ; K16.6 30.14,189.48 ; 91.2,241.71 K31.7 ; K31.7 90.08,242.82 ; K31.7 92.32,242.82 ; 30.14,227.58 K21.6 ; K21.6 31.26,228.7 ; K21.6 31.26,226.47 ; K21.6 32.38,227.58 ; 66.46,212.34 K7.7 ; K7.7 68.7,212.34 ; K7.7 67.58,213.46 ; K7.7 67.58,211.23 ; 30.14,235.2 K25.6 ; K25.6 31.26,236.32 ; K25.6 31.26,234.09 ; K25.6 32.38,235.2 ; K2.7 91.2,190.6 ; K2.7 90.08,189.48 ; K2.7 92.32,189.48 ; K2.7 91.2,188.37 ; 43.96,218.85 K17.7 ; K17.7 45.08,219.96 ; K17.7 43.96,221.08 ; K17.7 42.84,219.96 ; 53.76,189.48 K3.6 ; K3.6 54.88,188.37 ; K3.6 56,189.48 ; K3.6 54.88,190.6
  L08_DGND w0.203: K1.7 114.82,190.6 ; K1.7 113.71,189.48 ; K1.7 114.82,188.37 ; K1.7 115.94,189.48 ; K28.6 102.12,236.32 ; K28.6 101.01,235.2 ; K28.6 102.12,234.09 ; K28.6 103.24,235.2 ; 67.58,188.37 K3.7 ; K3.7 67.58,190.6 ; K3.7 68.7,189.48 ; K3.7 66.46,189.48 ; 67.58,218.85 K18.7 ; K18.7 66.46,219.96 ; K18.7 68.7,219.96 ; K18.7 67.58,221.08 ; 43.96,195.99 K6.7 ; K6.7 43.96,198.22 ; K6.7 45.08,197.1 ; K6.7 42.84,197.1 ; 114.82,241.71 K32.7 ; K32.7 115.94,242.82 ; K32.7 114.82,243.94 ; K32.7 113.71,242.82 ; K15.7 115.94,212.34 ; K15.7 113.71,212.34 ; K15.7 114.82,211.23 ; K15.7 114.82,213.46 ; 101.01,219.96 K20.6 ; K20.6 102.12,221.08 ; K20.6 103.24,219.96 ; K20.6 102.12,218.85 ; 66.46,197.1 K9.7 ; K9.7 67.58,195.99 ; K9.7 68.7,197.1 ; K9.7 67.58,198.22 ; K4.6 31.26,213.46 ; K4.6 30.14,212.34 ; K4.6 32.38,212.34 ; K4.6 31.26,211.23 ; K17.7 45.08,219.96 ; K17.7 43.96,221.08 ; K17.7 42.84,219.96 ; K17.7 43.96,218.85 ; 77.38,204.72 K12.6 ; K12.6 79.62,204.72 ; K12.6 78.5,203.61 ; K12.6 78.5,205.84 ; K15.6 103.24,212.34 ; K15.6 101.01,212.34 ; K15.6 102.12,211.23 ; K15.6 102.12,213.46 ; K7.6 54.88,213.46 ; K7.6 56,212.34 ; K7.6 54.88,211.23 ; K7.6 53.76,212.34 ; 91.2,188.37 K2.7 ; K2.7 92.32,189.48 ; K2.7 90.08,189.48 ; K2.7 91.2,190.6 ; 78.5,211.23 K14.6 ; K14.6 79.62,212.34 ; K14.6 77.38,212.34 ; K14.6 78.5,213.46 ; K29.6 32.38,242.82 ; K29.6 31.26,241.71 ; K29.6 30.14,242.82 ; K21.6 31.26,228.7 ; K21.6 31.26,226.47 ; K21.6 32.38,227.58 ; K21.6 30.14,227.58 ; K22.6 54.88,228.7 ; K22.6 53.76,227.58 ; K22.6 56,227.58 ; K22.6 54.88,226.47 ; 101.01,204.72 K13.6 ; K13.6 102.12,203.61 ; K13.6 103.24,204.72 ; K13.6 102.12,205.84 ; K10.6 78.5,198.22 ; K10.6 79.62,197.1 ; K10.6 77.38,197.1 ; K10.6 78.5,195.99 ; K30.7 67.58,243.94 ; K30.7 68.7,242.82 ; K30.7 67.58,241.71 ; K30.7 66.46,242.82 ; 66.46,235.2 K26.7 ; K26.7 67.58,234.09 ; K26.7 67.58,236.32 ; K26.7 68.7,235.2 ; K26.6 56,235.2 ; K26.6 54.88,236.32 ; K26.6 53.76,235.2 ; K26.6 54.88,234.09 ; 102.12,241.71 K32.6 ; K32.6 103.24,242.82 ; K32.6 101.01,242.82 ; K32.6 102.12,243.94 ; 102.12,195.99 K11.6 ; K11.6 101.01,197.1 ; K11.6 102.12,198.22 ; K11.6 103.24,197.1 ; 53.76,219.96 K18.6 ; K18.6 56,219.96 ; K18.6 54.88,221.08 ; K18.6 54.88,218.85 ; K19.7 92.32,219.96 ; K19.7 90.08,219.96 ; K19.7 91.2,218.85 ; K19.7 91.2,221.08 ; 43.96,203.61 K5.7 ; K5.7 42.84,204.72 ; K5.7 45.08,204.72 ; K5.7 43.96,205.84 ; K19.6 79.62,219.96 ; K19.6 77.38,219.96 ; K19.6 78.5,221.08 ; K19.6 78.5,218.85 ; K30.6 54.88,243.94 ; K30.6 53.76,242.82 ; K30.6 54.88,241.71 ; K30.6 56,242.82 ; K23.6 78.5,228.7 ; K23.6 77.38,227.58 ; K23.6 78.5,226.47 ; K23.6 79.62,227.58 ; K16.6 31.26,190.6 ; K16.6 31.26,188.37 ; K16.6 30.14,189.48 ; K16.6 32.38,189.48 ; K16.7 45.08,189.48 ; K16.7 42.84,189.48 ; K16.7 43.96,188.37 ; K16.7 43.96,190.6 ; K12.7 92.32,204.72 ; K12.7 90.08,204.72 ; K12.7 91.2,205.84 ; K12.7 91.2,203.61 ; K8.6 56,204.72 ; K8.6 53.76,204.72 ; K8.6 54.88,205.84 ; K8.6 54.88,203.61 ; K8.7 68.7,204.72 ; K8.7 66.46,204.72 ; K8.7 67.58,205.84 ; K8.7 67.58,203.61 ; 30.14,235.2 K25.6 ; K25.6 31.26,236.32 ; K25.6 31.26,234.09 ; K25.6 32.38,235.2 ; K24.7 115.94,227.58 ; K24.7 114.82,226.47 ; K24.7 114.82,228.7 ; K24.7 113.71,227.58 ; K6.6 31.26,198.22 ; K6.6 31.26,195.99 ; K6.6 32.38,197.1 ; K6.6 30.14,197.1 ; K28.7 114.82,236.32 ; K28.7 114.82,234.09 ; K28.7 113.71,235.2 ; K28.7 115.94,235.2 ; 78.5,234.09 K27.6 ; K27.6 77.38,235.2 ; K27.6 78.5,236.32 ; K27.6 79.62,235.2 ; 114.82,203.61 K13.7 ; K13.7 114.82,205.84 ; K13.7 115.94,204.72 ; K13.7 113.71,204.72 ; K20.7 114.82,221.08 ; K20.7 114.82,218.85 ; K20.7 115.94,219.96 ; K20.7 113.71,219.96 ; 43.96,211.23 K4.7 ; K4.7 43.96,213.46 ; K4.7 42.84,212.34 ; K4.7 45.08,212.34 ; 90.08,197.1 K10.7 ; K10.7 91.2,198.22 ; K10.7 91.2,195.99 ; K10.7 92.32,197.1 ; 91.2,234.09 K27.7 ; K27.7 91.2,236.32 ; K27.7 90.08,235.2 ; K27.7 92.32,235.2 ; 54.88,188.37 K3.6 ; K3.6 53.76,189.48 ; K3.6 56,189.48 ; K3.6 54.88,190.6 ; 101.01,227.58 K24.6 ; K24.6 102.12,226.47 ; K24.6 103.24,227.58 ; K24.6 102.12,228.7 ; 43.96,226.47 K21.7 ; K21.7 42.84,227.58 ; K21.7 43.96,228.7 ; K21.7 45.08,227.58 ; K11.7 115.94,197.1 ; K11.7 113.71,197.1 ; K11.7 114.82,195.99 ; K11.7 114.82,198.22 ; K14.7 91.2,213.46 ; K14.7 91.2,211.23 ; K14.7 90.08,212.34 ; K14.7 92.32,212.34 ; 43.96,241.71 K29.7 ; K29.7 42.84,242.82 ; K29.7 45.08,242.82 ; K29.7 43.96,243.94 ; K22.7 67.58,228.7 ; K22.7 68.7,227.58 ; K22.7 67.58,226.47 ; K22.7 66.46,227.58 ; K31.6 79.62,242.82 ; K31.6 78.5,243.94 ; K31.6 77.38,242.82 ; K31.6 78.5,241.71 ; 31.26,218.85 K17.6 ; K17.6 32.38,219.96 ; K17.6 31.26,221.08 ; K17.6 30.14,219.96 ; 42.84,235.2 K25.7 ; K25.7 45.08,235.2 ; K25.7 43.96,234.09 ; K25.7 43.96,236.32 ; 53.76,197.1 K9.6 ; K9.6 56,197.1 ; K9.6 54.88,195.99 ; K9.6 54.88,198.22 ; K5.6 31.26,205.84 ; K5.6 31.26,203.61 ; K5.6 30.14,204.72 ; K5.6 32.38,204.72 ; 77.38,189.48 K2.6 ; K2.6 78.5,190.6 ; K2.6 79.62,189.48 ; K2.6 78.5,188.37 ; K23.7 91.2,228.7 ; K23.7 92.32,227.58 ; K23.7 91.2,226.47 ; K23.7 90.08,227.58 ; 91.2,241.71 K31.7 ; K31.7 90.08,242.82 ; K31.7 91.2,243.94 ; K31.7 92.32,242.82 ; 67.58,211.23 K7.7 ; K7.7 66.46,212.34 ; K7.7 68.7,212.34 ; K7.7 67.58,213.46 ; K1.6 103.24,189.48 ; K1.6 102.12,190.6 ; K1.6 101.01,189.48 ; K1.6 102.12,188.37